# Altium PCB MAIN_BORAD.PcbDoc (part 1 of 3)
Units mm, origin at the board's own origin, x right, y up, seen from the top; angles counter-clockwise.
Board outline 92 x 100 mm, 2 copper layers (Top Layer, Bottom Layer), stack 1.471 mm thick; 222 components, 159 nets, 798 pads, 557 vias.
Unrouted connection lines stored in the file: 1.
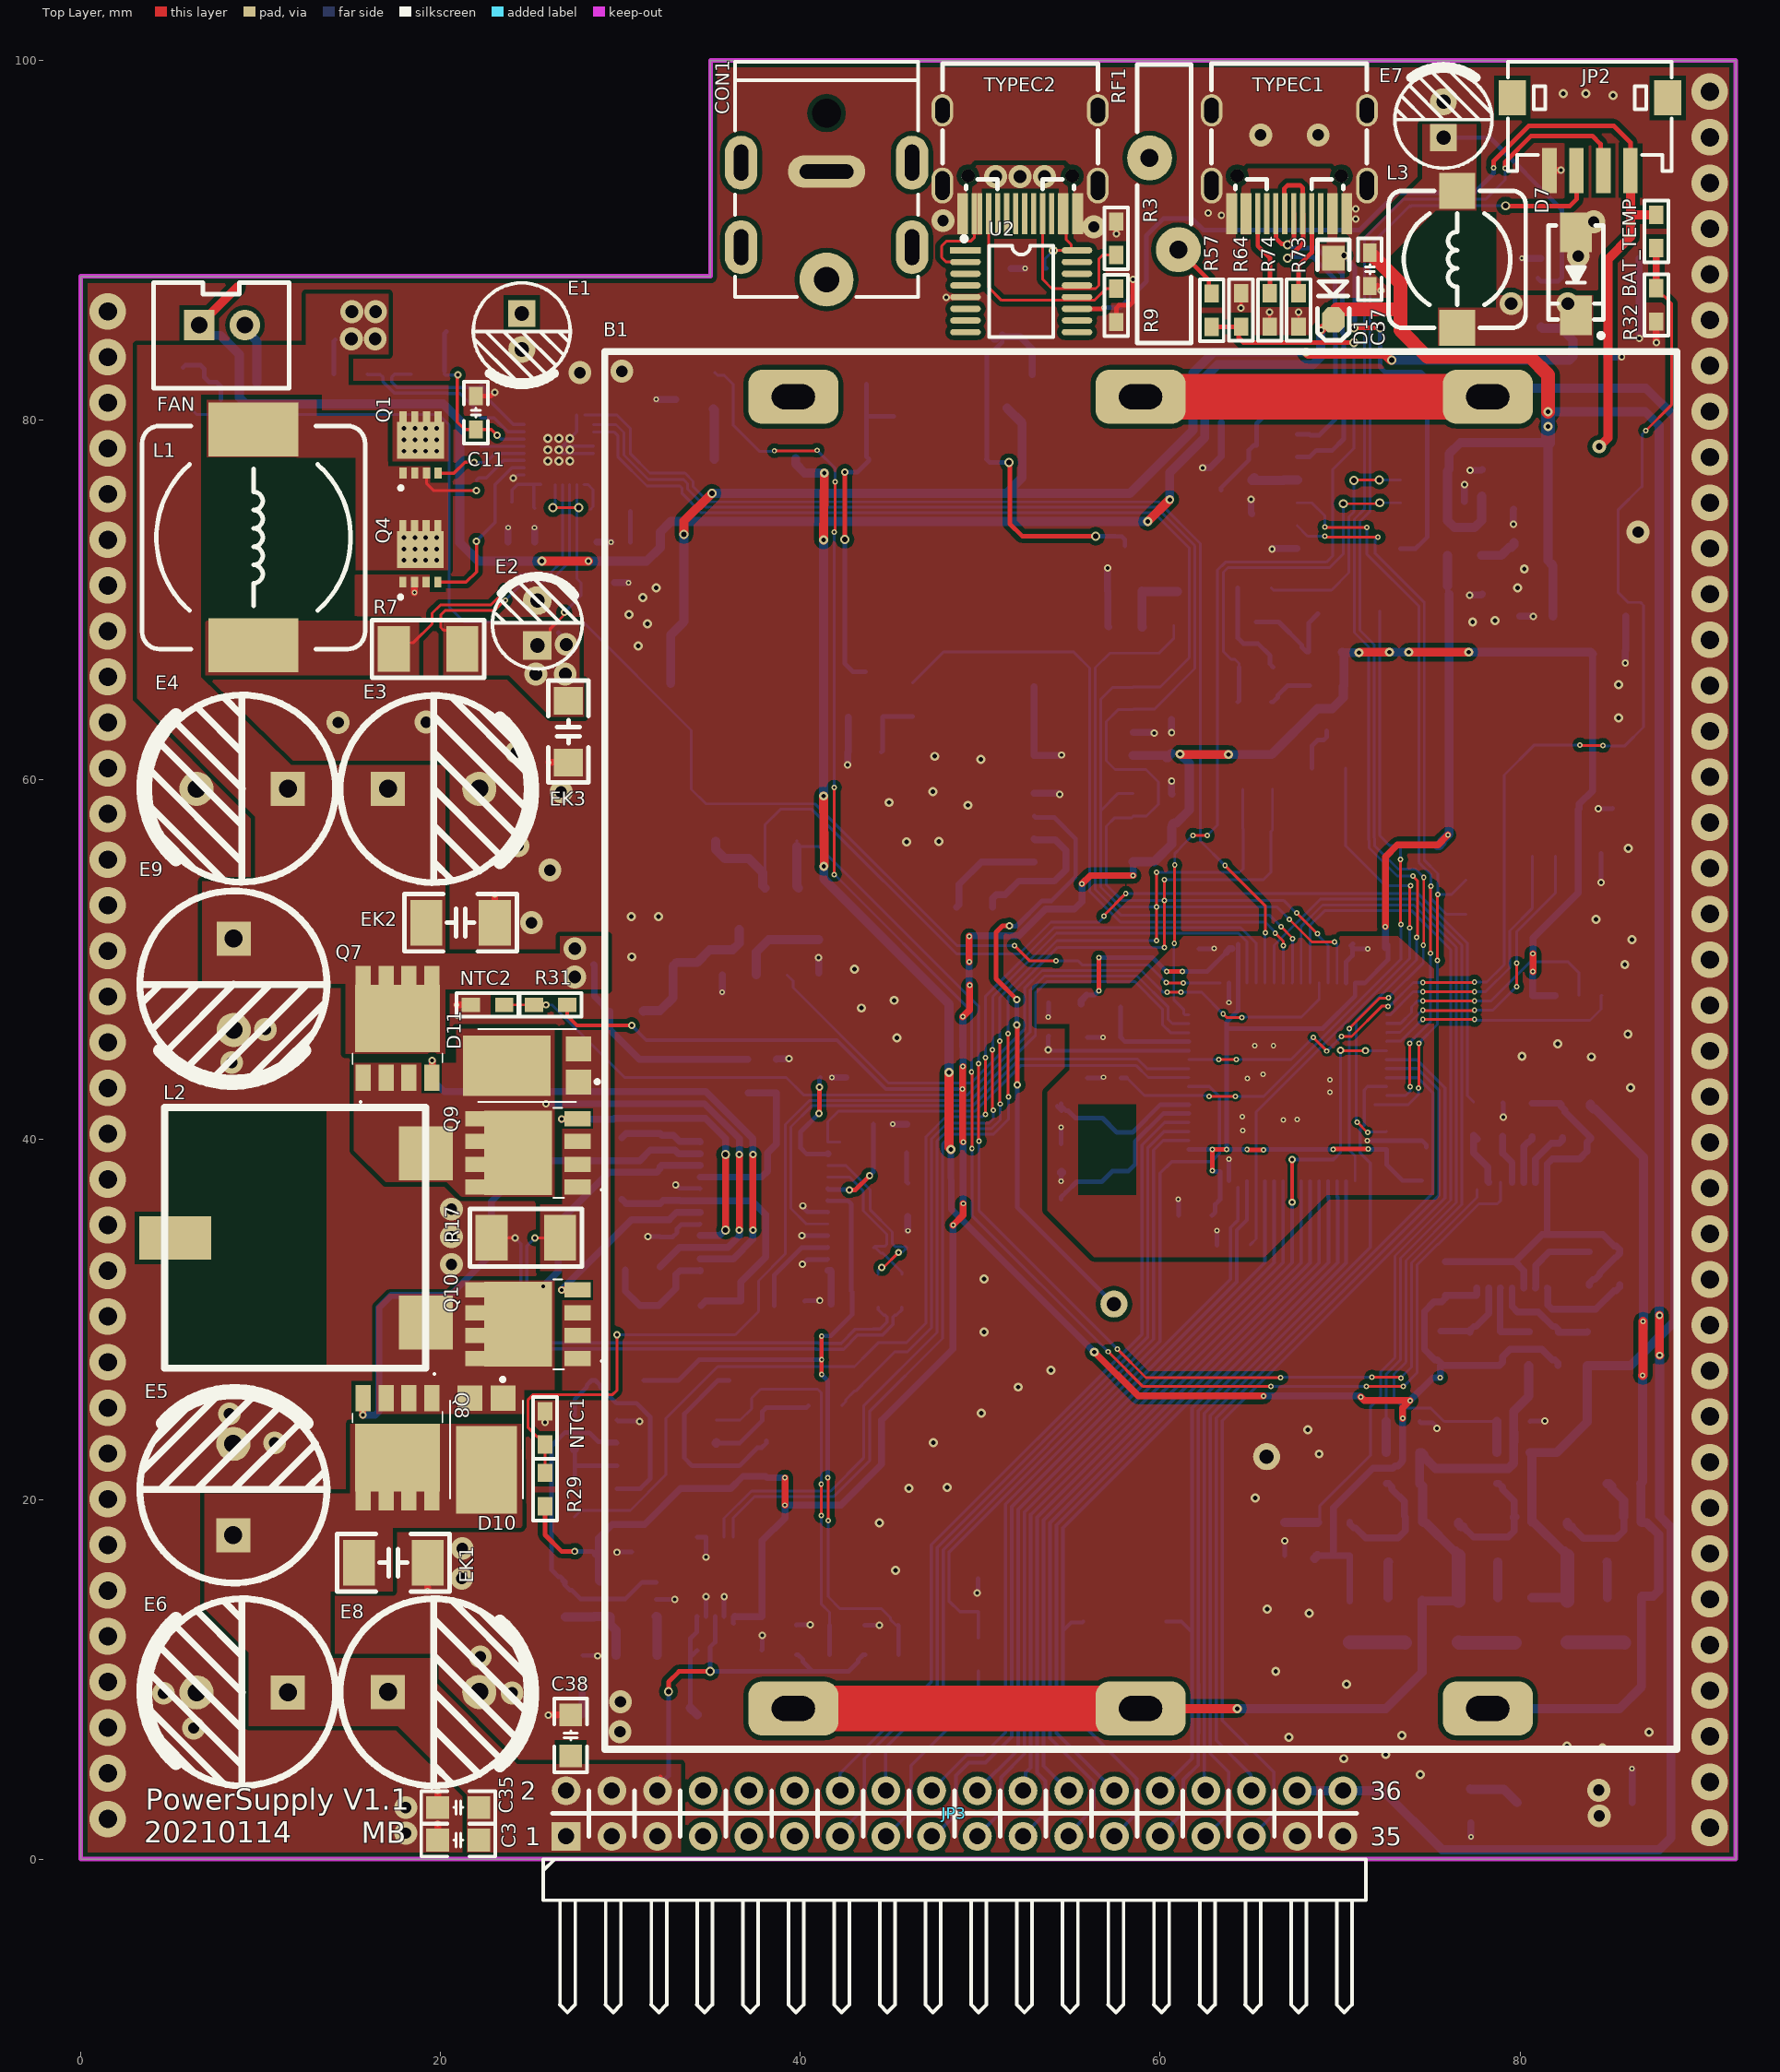
[diagram p0: Top Layer view]
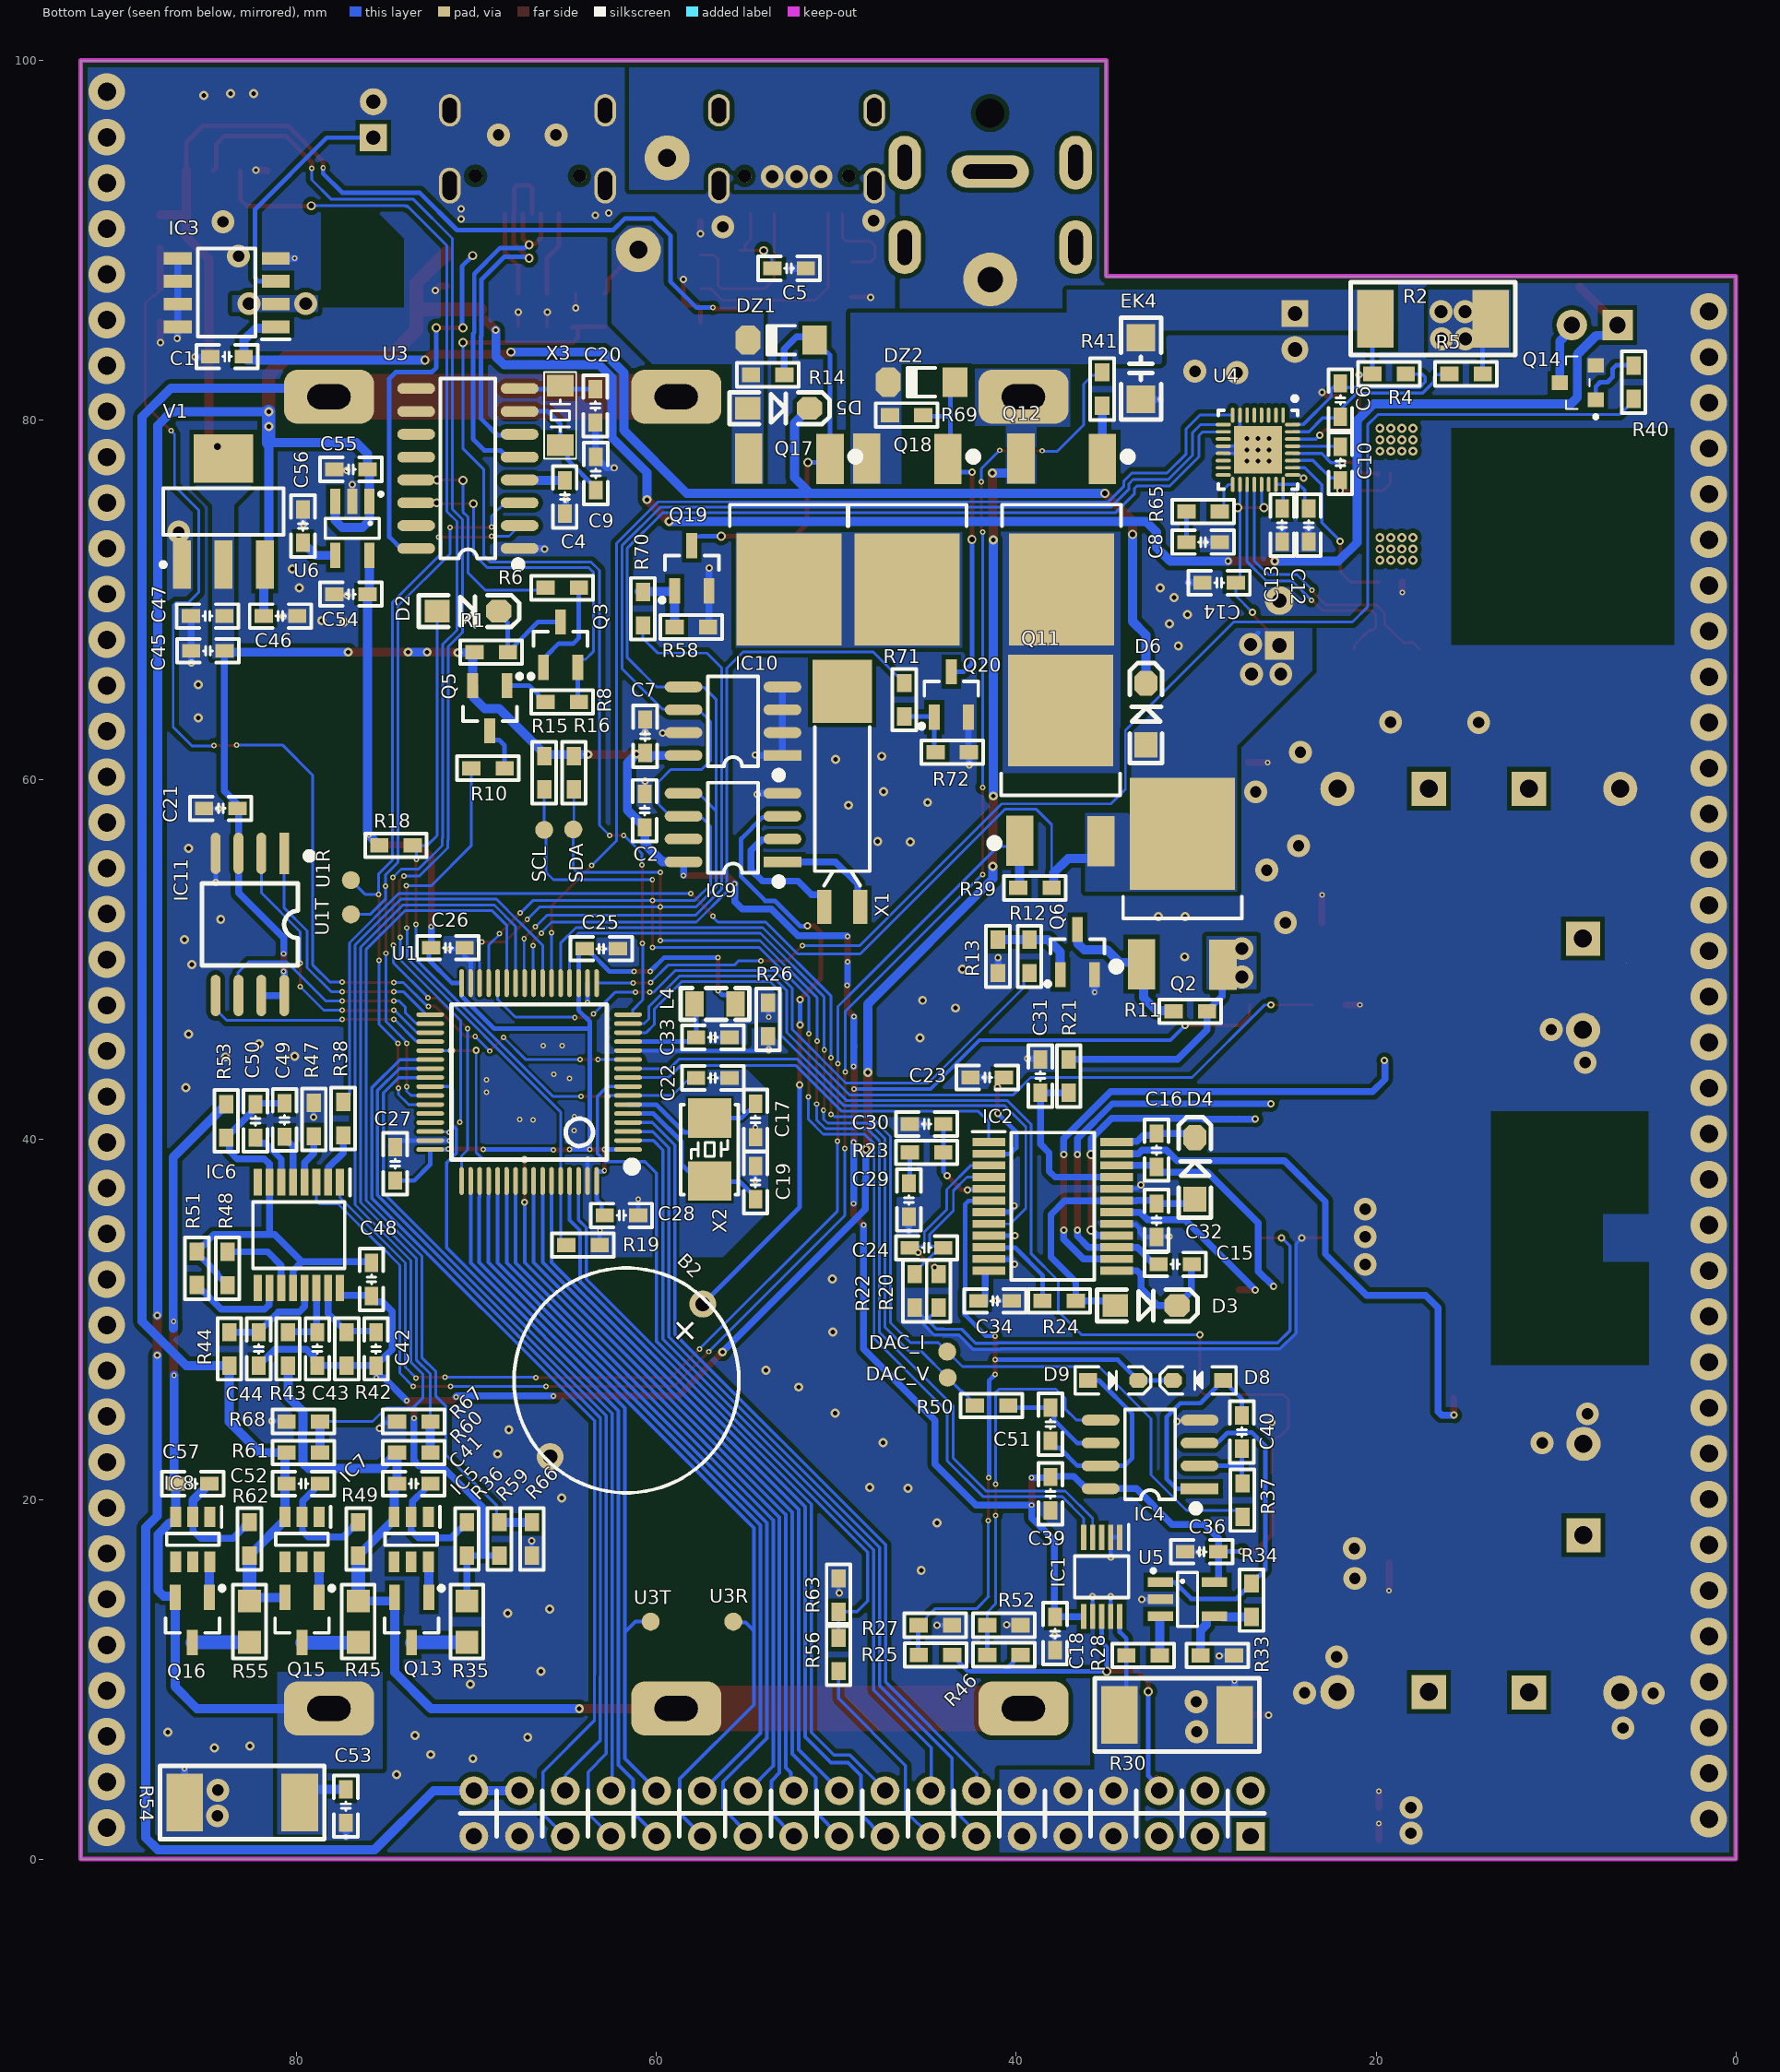
[diagram p1: Bottom Layer view, seen from below]

## Layer stack, top to bottom
Top Solder: solder mask 0.0102, Solder Resist, Dk 3.5
Top Layer: signal copper 0.0356
Dielectric1: dielectric 1.4, FR-4, Dk 4.8
Bottom Layer: signal copper 0.0356
Bottom Solder: solder mask 0.0102, Solder Resist, Dk 3.5

## Board outline
0,0 92,0 92,100 35,100 35,88 0,88 0,87.986

## Design rules (kind name [scope] priority, off if disabled: settings)
Clearance POWER [InNetClass('POWER')   And Not WithinRoom('SC8813')] p1: gap=0.254 ignorepadtopadclearanceinfootprint=TRUE except(0: Arc-Hole Track-Hole SMDPad-Hole THPad-Hole Via-Hole Fill-Hole Poly-Hole Region-Hole Text-Hole)
Clearance [All] p2: gap=0.152 ignorepadtopadclearanceinfootprint=TRUE except(0: Arc-Hole Track-Hole SMDPad-Hole THPad-Hole Via-Hole Fill-Hole Poly-Hole Region-Hole Text-Hole)
DiffPairsRouting [All] p1: maxlimit=0.254 minlimit=0.152 mostfreqgap=0.254 toplayer_minwidth=0.152 toplayer_maxwidth=0.381 toplayer_prefwidth=0.381 bottomlayer_minwidth=0.152 bottomlayer_maxwidth=0.381 bottomlayer_prefwidth=0.381 maxuncoupledlength=12.7
FabricationTestpoint [(IsPad And (OnTopLayer Or OnBottomLayer))] p1: side=3 testpointundercomponent=TRUE minsize=1.016 maxsize=2.54 preferedsize=1.524 minholesize=0 maxholesize=1.016 preferedholesize=0.813 testpointgrid=0.025 allowsidetop=TRUE allowsidebottom=TRUE usegrid=TRUE gridtolerance=0
PolygonConnect BIGPAD [InNetClass('POWER') or WithinRoom('RoomDefinition')] p1: connectstyle=Direct reliefconductorwidth=0.254 reliefentries=4 polygonreliefangle="90 Angle" airgapwidth=0.254
PolygonConnect GND [InNet('AGND')] p2: connectstyle=Relief reliefconductorwidth=0.254 reliefentries=4 polygonreliefangle="45 Angle" airgapwidth=0.254
PolygonConnect [All] p3: connectstyle=Direct reliefconductorwidth=0.381 reliefentries=4 polygonreliefangle="90 Angle" airgapwidth=0.254
RoomDefinition SC8813 [False] p1: confinementstyle=ConfineIn formatcopy=TRUE lockcomponents=FALSE outline 22.479,81.61 31.598,81.61 31.598,74.447 22.479,74.447
RoomDefinition MAIN_BORAD [InComponentClass('MAIN_BORAD')] p2: confinementstyle=ConfineIn formatcopy=TRUE lockcomponents=FALSE outline 35,100 78.003,100 78.003,85.788 35,85.788
RoutingVias [All] p1: holewidth=0.152 width=0.305 viastyle="Through Hole" minholewidth=0.152 minwidth=0.305 maxholewidth=0.305 maxwidth=0.508
SolderMaskExpansion [All] p1: expansion=0.102
Width [All] p1: maxlimit=2.54 minlimit=0.152 preferedwidth=0.254 minimp=50.000000 maximp=50.000000 favimp=50.000000
28 further rules are at their usual default settings.

## Classes and differential pairs
net class POWER: 5V AGND BAT1+ BAT2+ BAT3+ BAT+ NetB1_6 NetC5_2 NetD7_2 NetL1_2 NetQ11_2 SW TC_VCC VBUS VIN VIN_DC VOUT
differential pair class D: D
differential pair SEN1: +SEN+ -AGND
differential pair D: +D_P -D_N

## Components (designator, comment, footprint, x,y, rotation, side; value= is the part's Value field where it differs from the comment)
B1 "电池盒" 18650 78.207,81.305 r270 top locked
B2 "BAT" bat 57.428,30.863 r315 bottom
BAT_TEMP "10K" "R 0603_M" 87.579,90.5 r270 top locked
C1 "105" "C 0603_M" 83.871,83.541 r180 bottom locked
C2 "104" "C 0603_M" 60.655,58.293 r270 bottom locked
C3 "106" "C 0805_M" 20.98,1.067 r180 top
C4 "104" "C 0603_M" 65.1,75.73 r90 bottom locked
C5 "106" "C 0603_M" 52.629,88.443 r0 bottom locked
C6 "223" "C 0603_M" 21.987,81.128 r270 bottom
C7 "104" "C 0603_M" 60.63,62.433 r270 bottom locked
C8 "22" "C 0603_M" 29.616,73.228 r180 bottom
C9 "22" "C 0603_M" 63.373,77.038 r270 bottom locked
C10 "104" "C 0603_M" 21.987,77.597 r90 bottom
C11 "106" "C 0603_M" 21.958,80.416 r90 top
C12 "106" "C 0603_M" 23.749,74.168 r90 bottom
C13 "106" "C 0603_M" 25.222,74.168 r90 bottom
C14 "106" "C 0603_M" 28.727,70.968 r180 bottom
C15 "224" "C 0603_M" 31.166,33.071 r180 bottom
C16 "224" "C 0603_M" 32.207,39.421 r90 bottom
C17 "20p" "C 0603_M" 54.496,37.617 r270 bottom
C18 "104" "C 0603_M" 37.846,12.548 r90 bottom
C19 "20p" "C 0603_M" 54.496,41.072 r270 bottom
C20 "22" "C 0603_M" 63.398,80.797 r90 bottom locked
C21 "104" "C 0603_M" 84.226,58.42 r0 bottom locked
C22 "104" "C 0603_M" 56.871,43.434 r0 bottom locked
C23 "683" "C 0603_M" 41.618,43.459 r180 bottom
C24 "68" "C 0603_M" 44.983,33.99 r0 bottom
C25 "104" "C 0603_M" 63.068,50.622 r0 bottom locked
C26 "104" "C 0603_M" 71.593,50.673 r0 bottom locked
C27 "104" "C 0603_M" 74.53,38.659 r270 bottom locked
C28 "104" "C 0603_M" 61.951,35.789 r0 bottom locked
C29 "333" "C 0603_M" 45.974,36.652 r270 bottom
C30 "47" "C 0603_M" 44.983,40.869 r0 bottom
C31 "104" "C 0603_M" 38.659,43.536 r90 bottom
C32 "476" "C 0603_M" 32.207,35.522 r90 bottom
C33 "104" "C 0603_M" 56.871,45.695 r0 bottom locked
C34 "104" "C 0603_M" 41.173,31.039 r180 bottom
C35 "106" "C 0805_M" 20.98,2.87 r180 top
C36 "104" "C 0603_M" 29.693,17.094 r0 bottom locked
C37 "104" "C 0603_M" 71.653,88.392 r270 top locked
C38 "104" "C 0805_M" 27.229,6.883 r90 top
C39 "104" "C 0603_M" 38.1,20.32 r270 bottom locked
C40 "104" "C 0603_M" 27.457,23.749 r270 bottom
C41 "105" "C 0603_M" 73.495,20.879 r180 bottom locked
C42 "105" "C 0603_M" 75.59,28.372 r90 bottom locked
C43 "105" "C 0603_M" 78.852,28.372 r90 bottom locked
C44 "105" "C 0603_M" 82.113,28.372 r90 bottom locked
C45 "106" "C 0603_M" 84.938,67.183 r180 bottom
C46 "104" "C 0603_M" 80.899,69.113 r0 bottom locked
C47 "104" "C 0603_M" 84.95,69.113 r180 bottom locked
C48 "106" "C 0603_M" 75.844,32.233 r90 bottom locked
C49 "105" "C 0603_M" 80.67,41.097 r90 bottom locked
C50 "105" "C 0603_M" 82.296,41.046 r90 bottom locked
C51 "104/NC" "C 0603_M" 38.1,24.181 r90 bottom
C52 "105" "C 0603_M" 79.635,20.879 r180 bottom locked
C53 "105" "C 0603_M" 77.267,2.946 r90 bottom
C54 "105" "C 0603_M" 76.987,70.333 r180 bottom locked
C55 "105" "C 0603_M" 76.987,77.267 r180 bottom locked
C56 "223" "C 0603_M" 79.654,74.117 r270 bottom locked
C57 "105" "C 0603_M" 85.776,20.879 r180 bottom locked
CON1 "5.5*2.1" DC-005P 41.453,93.324 r180 top locked
D1 "1N4007" SOD-123 69.621,87.3 r270 top
D2 "1N4007" SOD-123 70.485,69.393 r180 bottom locked
D3 "1N4007" SOD-123 32.779,30.785 r180 bottom
D4 "1N4007" SOD-123 30.074,38.405 r90 bottom
D5 "1N4007" SOD-123 53.213,80.67 r180 bottom
D6 "1N4007" SOD-123 32.791,63.665 r90 bottom locked
D7 "M7" SMA 83.109,88.138 r270 top locked
D8 "1N4148" SOD-323 29.897,26.619 r0 bottom locked
D9 "1N4148" SOD-323 34.622,26.619 r180 bottom locked
D10 "SBR10U45SP5-13" PDS104013 22.55,22.771 r180 top locked
D11 "SBR10U45SP5-13" PDS104013 24.805,44.125 r90 top
DAC_I "TEST" "TEST 1" 43.84,28.219 r180 bottom
DAC_V "TEST" "TEST 1" 43.815,26.772 r180 bottom
DZ1 "15V" DO-213AA 53.061,84.455 r0 bottom locked
DZ2 "15V" DO-213AA 45.263,82.118 r0 bottom locked
E1 "100uF" "CAP 2.0*5*11 - GD" 24.511,84.938 r270 top locked
E2 "100uF" "CAP 2.5*5*11 - GD" 25.375,68.727 r90 top locked
E3 "1000uF/35V" "CAP 5.0*10*20 - GD" 19.609,59.512 r0 top locked
E4 "1000uF/35V" "CAP 5.0*10*20 - GD" 8.966,59.512 r180 top locked
E5 "1000uF/35V" "CAP 5.0*10*20 - GD" 8.472,20.549 r90 top locked
E6 "1000uF/35V" "CAP 5.0*10*20 - GD" 8.966,9.271 r180 top locked
E7 "270uF" "CAP 2.0*5*11 - GD" 75.743,96.714 r90 top locked
E8 "1000uF/35V" "CAP 5.0*10*20 - GD" 19.609,9.296 r0 top locked
E9 "1000uF/35V" "CAP 5.0*10*20 - GD" 8.497,48.641 r270 top locked
EK1 "106" "C 1210_M" 17.374,16.485 r180 top
EK2 "106" "C 1210_M" 21.107,52.07 r180 top
EK3 "105" "C 1206_M" 27.102,62.687 r270 top locked
EK4 "105" "C 1206_M" 33.071,82.88 r270 bottom locked
FAN "HDR-1X2" XH2.54-LI-2P 7.849,85.293 r0 top locked
IC1 "INA226AIDGST" SOP50P490X110-10N 35.255,15.697 r270 bottom locked
IC2 "LTC3780EG#TRPBF" SOP65P780X200-24N 37.973,36.297 r180 bottom locked
IC3 "XL1509-5.0E1" SOIC127P600X175-8N 83.889,87.097 r0 bottom locked
IC4 "SGM8552" SOP8_M 32.563,22.504 r0 bottom
IC5 "HY2213-BB3A" SOT95P280X140-6N 73.635,17.78 r270 bottom locked
IC6 "S-8254AAKFT-TB-U" SOP65P640X110-16N 79.883,34.696 r270 bottom locked
IC7 "HY2213-BB3A" SOT95P280X140-6N 79.705,17.78 r270 bottom locked
IC8 "HY2213-BB3A" SOT95P280X140-6N 85.776,17.78 r270 bottom locked
IC9 "DS1307Z" SOP8_M 55.746,57.353 r0 bottom locked
IC10 "24C02" SOP8_M 55.746,63.271 r0 bottom locked
IC11 "W25Qxx" SOP8W_N 82.601,51.968 r270 bottom locked
JP2 "HDR-1X4" ZH1.5-WS-4P 83.887,97.928 r180 top locked
JP3 "Header 2X11" HDR2.54-WI-2x18P 48.565,2.54 r0 top
L1 "3.3uH" CDRH125 9.601,73.482 r270 top locked
L2 "10uH" SER2010202MLD 11.913,34.544 r90 top locked
L3 "68uH" CDRH74 76.505,88.951 r90 top locked
L4 "10uH" "L 0805" 56.744,47.549 r0 bottom locked
NTC1 "10K" "R 0603_M" 25.806,23.978 r270 top
NTC2 "10K" "R 0603_M" 22.606,47.498 r0 top
Q1 "AON7752" EMB20N03V 18.888,78.889 r0 top locked
Q2 "AOD403" TO252 30.759,52.807 r180 bottom locked
Q3 "S8050" SOT23-3M 65.329,66.269 r180 bottom locked
Q4 "AON7752" EMB20N03V 18.872,72.822 r0 top locked
Q5 "S8550" SOT23-3M 69.266,65.253 r0 bottom locked
Q6 "S8050" SOT23-3M 36.601,49.174 r180 bottom
Q7 "AON6280  X2" TPH1R306PLL1Q 17.602,46.299 r0 top locked
Q8 "AON6280  X2" TPH1R306PLL1Q 17.602,22.777 r180 top
Q9 "AON6280  X2" TPH1R306PLL1Q 24.758,39.268 r90 top locked
Q10 "AON6280  X2" TPH1R306PLL1Q 24.758,29.743 r90 top locked
Q11 "AOD403" TO252 37.534,59.665 r180 bottom locked
Q12 "AOD403" TO252 37.49,74.803 r0 bottom locked
Q13 "SI2302" SOT23-3M 73.609,14.554 r0 bottom locked
Q14 "SI2302" SI2302 8.788,82.093 r90 bottom locked
Q15 "SI2302" SOT23-3M 79.705,14.554 r0 bottom locked
Q16 "SI2302" SOT23-3M 85.801,14.554 r0 bottom locked
Q17 "AOD403" TO252 52.629,74.803 r0 bottom locked
Q18 "AOD403" TO252 46.076,74.803 r0 bottom locked
Q19 "S8050" SOT23-3M 58.039,70.511 r180 bottom locked
Q20 "S8050" SOT23-3M 43.612,63.5 r180 bottom locked
R1 "10K" "R 0603_M" 69.19,67.107 r0 bottom locked
R2 "0.01R" "R 2512_M" 16.84,85.649 r180 bottom locked
R3 "5.1K" "R 0603_M" 57.556,90.119 r90 top
R4 "2.2R" "R 0603_M" 19.279,82.575 r0 bottom locked
R5 "2.2R" "R 0603_M" 14.999,82.575 r180 bottom locked
R6 "1K" "R 0603_M" 65.24,70.688 r180 bottom locked
R7 "0.01R" "R 1210_M" 19.304,67.285 r0 top locked
R8 "1K" "R 0603_M" 65.24,64.338 r0 bottom locked
R9 "5.1K" "R 0603_M" 57.556,86.385 r270 top locked
R10 "1K" "R 0603_M" 69.367,60.655 r0 bottom locked
R11 "10K" "R 0603_M" 30.328,47.142 r0 bottom locked
R12 "1K" "R 0603_M" 39.268,50.19 r90 bottom
R13 "10K" "R 0603_M" 41.021,50.19 r90 bottom
R14 "10K" "R 0603_M" 53.823,82.525 r0 bottom locked
R15 "4.7K" "R 0603_M" 66.243,60.401 r90 bottom locked
R16 "4.7K" "R 0603_M" 64.592,60.401 r90 bottom locked
R17 "0.01R" "R 1210_M" 24.74,34.544 r0 top
R18 "10K" "R 0603_M" 74.486,56.363 r180 bottom locked
R19 "10K" "R 0603_M" 64.084,34.138 r0 bottom locked